# Altium PCB pcb-sam-carrier.PcbDoc (part 3 of 3)
Units mm, origin at the board's own origin, x right, y up, seen from the top; angles counter-clockwise.
Board outline 140 x 87 mm, 4 copper layers (Top Layer, VCC, GND, Bottom Layer), stack 1.606 mm thick; 245 components, 282 nets, 1348 pads, 172 vias.
Unrouted connection lines stored in the file: 727.
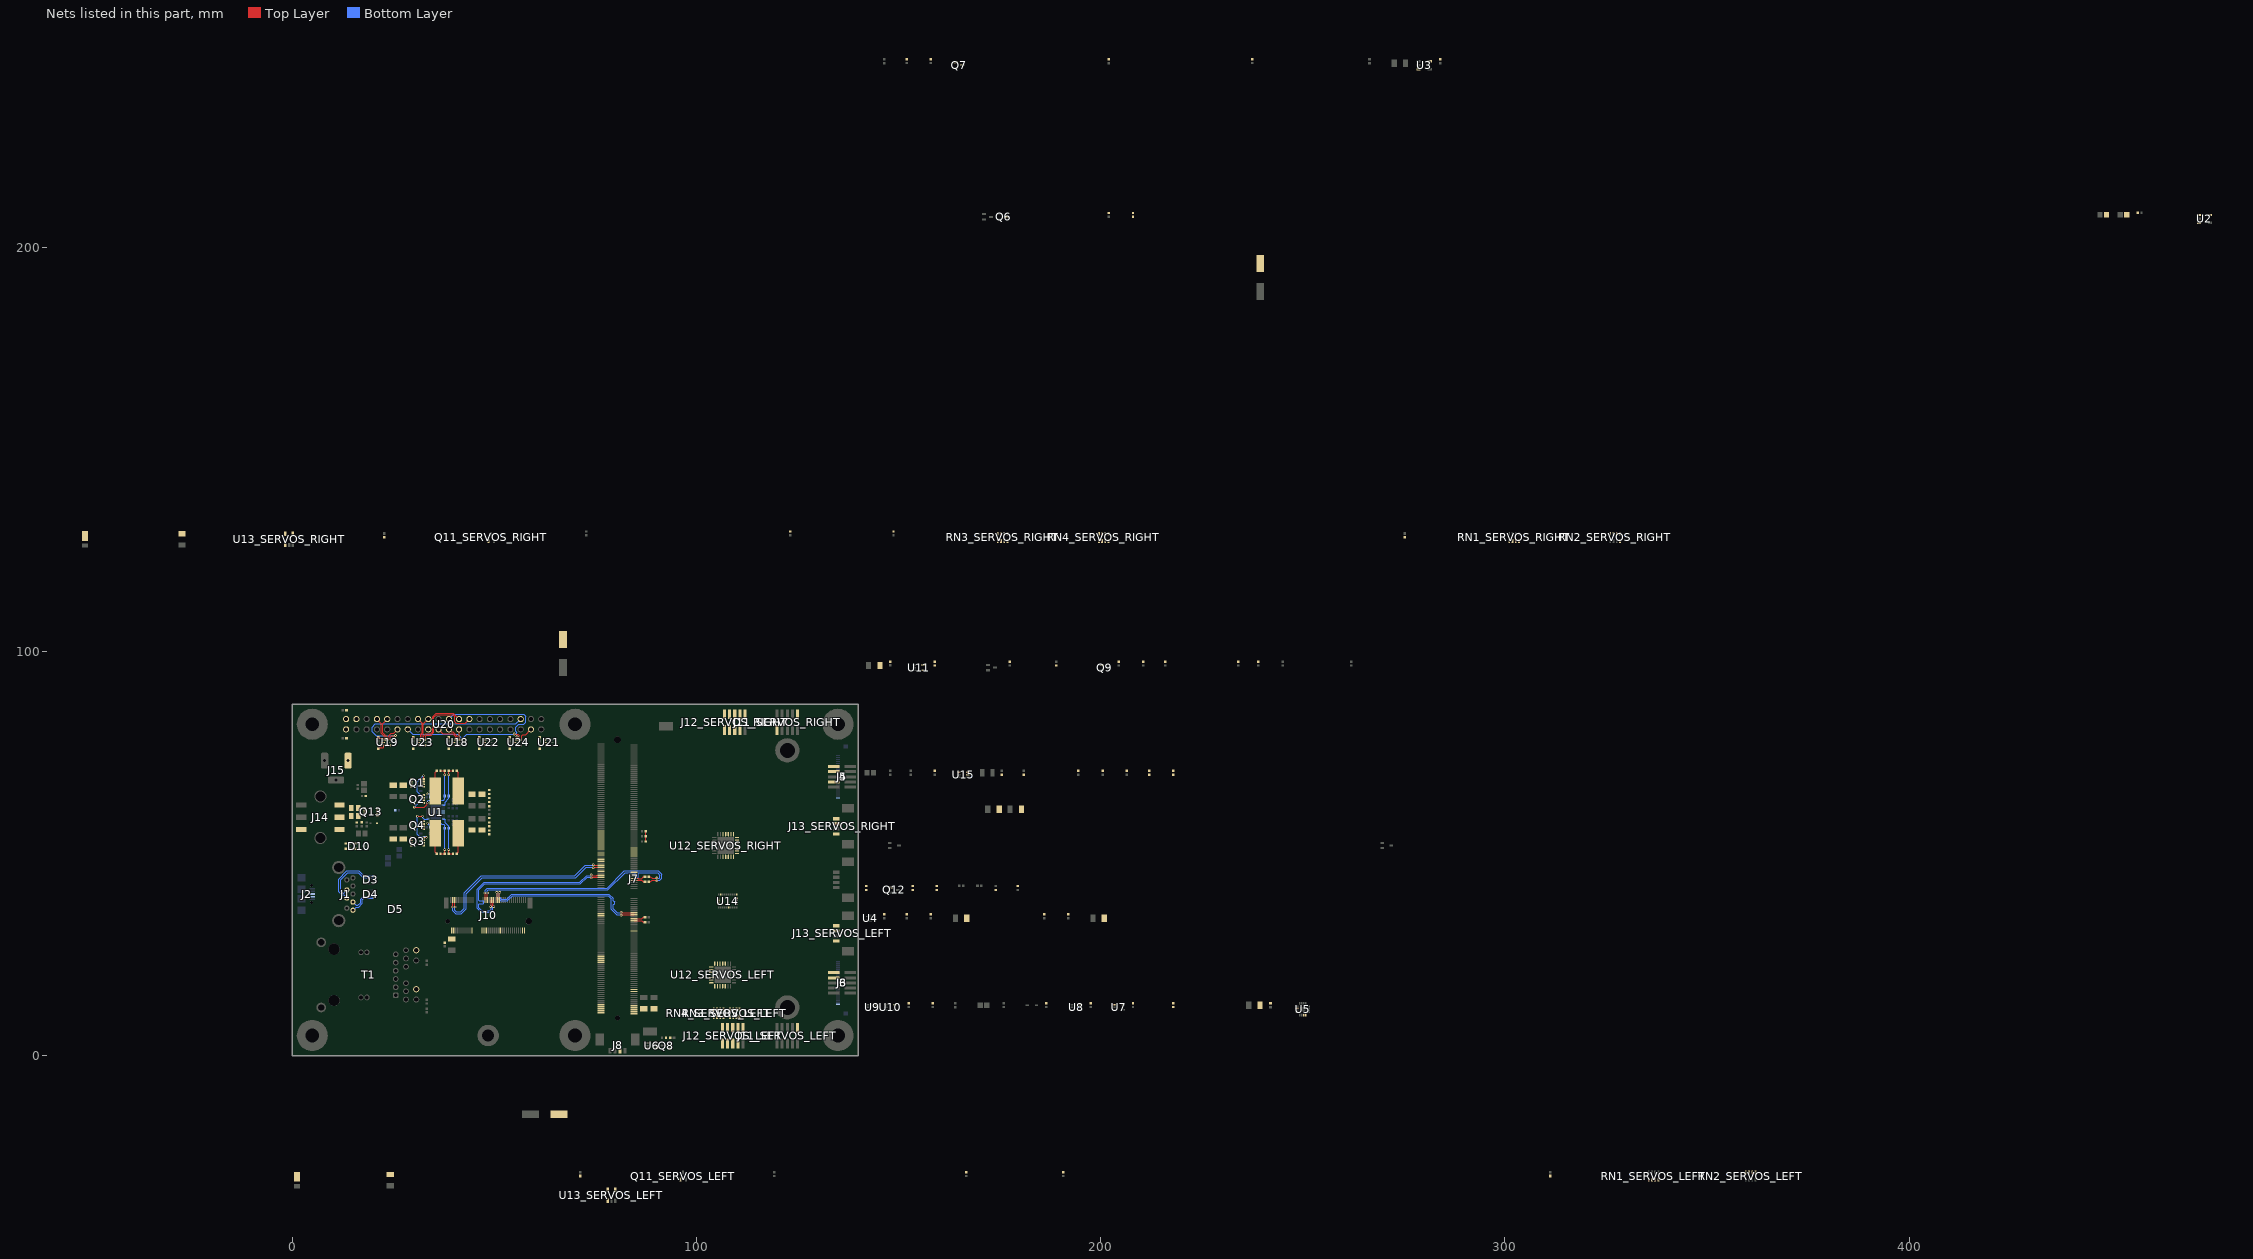
[diagram p3: the nets of this part, all layers, seen from the top]

## Via types
v1: diameter 0.6, hole 0.2, Top Layer to Bottom Layer, tented both sides, 80 vias
v2: diameter 1.27, hole 0.7, Top Layer to Bottom Layer, 48 vias
v3: diameter 0.5, hole 0.2, Top Layer to Bottom Layer, 38 vias
v4: diameter 0.7, hole 0.3, Top Layer to Bottom Layer, tented both sides, 4 vias
v5: diameter 0.6, hole 0.2, Top Layer to Bottom Layer, 2 vias

## Nets (pads, with @x,y where several pads share a name; then routed paths per layer and width w, separated by ;. In a path a pad name is that pad's centre, name@x,y a point inside that pad or via, vN(x,y) a via of type N, cw(c..) or ccw(c..) an arc to the next point about the centre after c; other vN are vias at no path point) (continued)
NetJ11_SERVOS_RIGHT_10: J11_SERVOS_RIGHT.10 RN2_SERVOS_RIGHT.4
NetJ12_SERVOS_LEFT_3: J12_SERVOS_LEFT.3 RN3_SERVOS_LEFT.8
NetJ12_SERVOS_LEFT_4: J12_SERVOS_LEFT.4 RN4_SERVOS_LEFT.1
NetJ12_SERVOS_LEFT_5: J12_SERVOS_LEFT.5 RN3_SERVOS_LEFT.7
NetJ12_SERVOS_LEFT_6: J12_SERVOS_LEFT.6 RN4_SERVOS_LEFT.2
NetJ12_SERVOS_LEFT_7: J12_SERVOS_LEFT.7 RN3_SERVOS_LEFT.6
NetJ12_SERVOS_LEFT_8: J12_SERVOS_LEFT.8 RN4_SERVOS_LEFT.3
NetJ12_SERVOS_LEFT_9: J12_SERVOS_LEFT.9 RN3_SERVOS_LEFT.5
NetJ12_SERVOS_LEFT_10: J12_SERVOS_LEFT.10 RN4_SERVOS_LEFT.4
NetJ12_SERVOS_RIGHT_3: J12_SERVOS_RIGHT.3 RN3_SERVOS_RIGHT.8
NetJ12_SERVOS_RIGHT_4: J12_SERVOS_RIGHT.4 RN4_SERVOS_RIGHT.1
NetJ12_SERVOS_RIGHT_5: J12_SERVOS_RIGHT.5 RN3_SERVOS_RIGHT.7
NetJ12_SERVOS_RIGHT_6: J12_SERVOS_RIGHT.6 RN4_SERVOS_RIGHT.2
NetJ12_SERVOS_RIGHT_7: J12_SERVOS_RIGHT.7 RN3_SERVOS_RIGHT.6
NetJ12_SERVOS_RIGHT_8: J12_SERVOS_RIGHT.8 RN4_SERVOS_RIGHT.3
NetJ12_SERVOS_RIGHT_9: J12_SERVOS_RIGHT.9 RN3_SERVOS_RIGHT.5
NetJ12_SERVOS_RIGHT_10: J12_SERVOS_RIGHT.10 RN4_SERVOS_RIGHT.4
NetQ6_3: Q6.3 R17.1
NetQ7_1: Q7.1 R26.2 R27.2
NetR3_1: R3.1 U1.25 | length 2.4
  Bottom Layer w0.213: U1.25@35.25,62.675 R3.1@35.25,65.025
NetR4_1: R4.1 U1.26 | length 2.6
  Bottom Layer w0.213: U1.26@35.75,62.675 35.75,64.525 36.056,64.831 36.056,64.856 36.225,65.025 R4.1@36.25,65.025
NetR12_2: R12.2 R13.1
NetR21_2: R21.2 R22.1
NetR23_2: R23.2 U3.3
NetR32_1: R32.1 U5.4
NetR55_2: J7.127 R55.2
NetR56_2: J7.178 Q11_SERVOS_LEFT.1 Q11_SERVOS_RIGHT.1 R56.2 U13_SERVOS_LEFT.4 U13_SERVOS_RIGHT.4
NetR58_1: R58.1 U14.4
NetR59_1: R59.1 U14.11
NetR60_1: R60.1 U14.19
NetR61_1: R61.1 U14.20
NetR62_2: R62.2 U14.5
PCIE_CLK_N: J7.160 J10.49 | length 41.5
  Top Layer w0.213: J10.49@51.25,38.525 51.25,39.406 51.193,39.464 51.193,40.216 v1(51.376,40.4) ; v1(81.4,35.501) 81.584,35.318 83.561,35.318 83.619,35.375 J7.160@84.6,35.375
  Bottom Layer w0.213: v1(51.376,40.4) 51.193,40.216 51.193,39.3 51.793,38.7 53.1,38.7 54.385,39.985 78.36,39.985 78.473,39.873 79.385,38.96 79.385,38.6 79.385,38.309 79.51,38.185 79.711,38.185 79.819,38.077 79.819,37.572 79.711,37.464 79.51,37.464 79.385,37.34 79.385,36.513 79.385,36.415 80.482,35.318 81.216,35.318 v1(81.4,35.501)
PCIE_CLK_P: J7.162 J10.47 | length 41.6
  Top Layer w0.213: v1(50.624,40.4) 50.807,40.216 50.807,39.464 50.75,39.406 J10.47@50.75,38.525 ; v1(81.4,34.749) 81.584,34.932 83.561,34.932 83.619,34.875 J7.162@84.6,34.875
  Bottom Layer w0.213: v1(50.624,40.4) 50.807,40.216 50.807,39.14 51.633,38.315 53.26,38.315 54.545,39.6 78.2,39.6 79,38.8 79,36.255 80.323,34.932 81.216,34.932 v1(81.4,34.749)
PCIE_RX_N: J7.131 J10.43 | length 44
  Top Layer w0.213: J10.43@49.75,38.525 49.75,37.644 49.693,37.586 49.693,37.084 v1(49.876,36.9) ; v1(74,44.751) 74.184,44.568 75.361,44.568 75.419,44.625 J7.131@76.4,44.625
  Bottom Layer w0.213: v1(49.876,36.9) 49.693,36.716 49.693,36.04 49.167,35.515 46.785,35.515 45.8,36.5 45.8,41.2 47.485,42.885 71.14,42.885 72.823,44.568 73.816,44.568 v1(74,44.751)
PCIE_RX_P: J7.133 J10.41 | length 44.2
  Top Layer w0.213: v1(49.124,36.9) 49.307,37.084 49.307,37.586 49.25,37.644 J10.41@49.25,38.525 ; v1(74,43.999) 74.184,44.182 75.361,44.182 75.419,44.125 J7.133@76.4,44.125
  Bottom Layer w0.213: v1(49.124,36.9) 49.307,36.716 49.307,36.2 49.007,35.9 46.945,35.9 46.185,36.66 46.185,37.487 46.329,37.631 47.236,37.631 47.38,37.775 47.38,38.207 47.236,38.351 46.329,38.351 46.185,38.495 46.185,40.797 46.185,41.04 47.645,42.5 71.3,42.5 71.413,42.613 72.982,44.182 73.816,44.182 v1(74,43.999)
PCIE_TX0C_N: C51.2 J10.37 | length 53.3
  Top Layer w0.213: J10.37@48.25,38.525 48.25,39.406 48.228,39.428 48.228,40.102 v1(48.376,40.25) ; C51.2@88.21,44.25 88.636,44.25 89.033,43.853 90.102,43.853 v1(90.25,44.001)
  Bottom Layer w0.213: v1(48.376,40.25) 48.228,40.398 48.228,40.75 48.478,41 78.1,41 82.4,45.3 83.872,45.3 84.699,45.3 84.843,45.156 84.843,44.162 84.987,44.018 85.42,44.018 85.564,44.162 85.564,45.156 85.708,45.3 90.2,45.3 90.4,45.3 91,44.7 91,44.06 90.794,43.853 90.398,43.853 v1(90.25,44.001)
PCIE_TX0C_P: C52.2 J10.35 | length 53.3
  Top Layer w0.213: v1(47.624,40.25) 47.772,40.102 47.772,39.428 47.75,39.406 J10.35@47.75,38.525 ; C52.2@88.21,43 88.636,43 89.033,43.397 90.102,43.397 v1(90.25,43.249)
  Bottom Layer w0.213: v1(47.624,40.25) 47.772,40.398 47.772,40.939 48.289,41.457 71.7,41.457 77.911,41.457 82.077,45.623 82.211,45.757 90.589,45.757 91.457,44.889 91.457,43.871 90.983,43.397 90.398,43.397 v1(90.25,43.249)
PCIE_TX_N: C51.1 J7.134 | length 2.9
  Top Layer w0.213: J7.134@84.6,43.875 85.581,43.875 85.639,43.818 86.431,43.818 86.864,44.25 C51.1@87.29,44.25
PCIE_TX_P: C52.1 J7.136 | length 2.9
  Top Layer w0.213: J7.136@84.6,43.375 85.581,43.375 85.639,43.432 86.431,43.432 86.864,43 C52.1@87.29,43
PGOOD: R2.1 U1.13 U2.3
POWER_LED: Q12.1 R54.1 R55.1 R56.1
PWR_RX: J14.4 R64.1
PWR_TX: J14.1 R63.1
S0_SERVOS_LEFT: RN1_SERVOS_LEFT.1 U12_SERVOS_LEFT.3
S0_SERVOS_RIGHT: RN1_SERVOS_RIGHT.1 U12_SERVOS_RIGHT.3
S1_SERVOS_LEFT: RN2_SERVOS_LEFT.8 U12_SERVOS_LEFT.4
S1_SERVOS_RIGHT: RN2_SERVOS_RIGHT.8 U12_SERVOS_RIGHT.4
S2_SERVOS_LEFT: RN1_SERVOS_LEFT.2 U12_SERVOS_LEFT.5
S2_SERVOS_RIGHT: RN1_SERVOS_RIGHT.2 U12_SERVOS_RIGHT.5
S3_SERVOS_LEFT: RN2_SERVOS_LEFT.7 U12_SERVOS_LEFT.6
S3_SERVOS_RIGHT: RN2_SERVOS_RIGHT.7 U12_SERVOS_RIGHT.6
S4_SERVOS_LEFT: RN1_SERVOS_LEFT.3 U12_SERVOS_LEFT.7
S4_SERVOS_RIGHT: RN1_SERVOS_RIGHT.3 U12_SERVOS_RIGHT.7
S5_SERVOS_LEFT: RN2_SERVOS_LEFT.6 U12_SERVOS_LEFT.8
S5_SERVOS_RIGHT: RN2_SERVOS_RIGHT.6 U12_SERVOS_RIGHT.8
S6_SERVOS_LEFT: RN1_SERVOS_LEFT.4 U12_SERVOS_LEFT.9
S6_SERVOS_RIGHT: RN1_SERVOS_RIGHT.4 U12_SERVOS_RIGHT.9
S7_SERVOS_LEFT: RN2_SERVOS_LEFT.5 U12_SERVOS_LEFT.10
S7_SERVOS_RIGHT: RN2_SERVOS_RIGHT.5 U12_SERVOS_RIGHT.10
S8_SERVOS_LEFT: RN3_SERVOS_LEFT.1 U12_SERVOS_LEFT.12
S8_SERVOS_RIGHT: RN3_SERVOS_RIGHT.1 U12_SERVOS_RIGHT.12
S9_SERVOS_LEFT: RN4_SERVOS_LEFT.8 U12_SERVOS_LEFT.13
S9_SERVOS_RIGHT: RN4_SERVOS_RIGHT.8 U12_SERVOS_RIGHT.13
S10_SERVOS_LEFT: RN3_SERVOS_LEFT.2 U12_SERVOS_LEFT.14
S10_SERVOS_RIGHT: RN3_SERVOS_RIGHT.2 U12_SERVOS_RIGHT.14
S11_SERVOS_LEFT: RN4_SERVOS_LEFT.7 U12_SERVOS_LEFT.15
S11_SERVOS_RIGHT: RN4_SERVOS_RIGHT.7 U12_SERVOS_RIGHT.15
S12_SERVOS_LEFT: RN3_SERVOS_LEFT.3 U12_SERVOS_LEFT.16
S12_SERVOS_RIGHT: RN3_SERVOS_RIGHT.3 U12_SERVOS_RIGHT.16
S13_SERVOS_LEFT: RN4_SERVOS_LEFT.6 U12_SERVOS_LEFT.17
S13_SERVOS_RIGHT: RN4_SERVOS_RIGHT.6 U12_SERVOS_RIGHT.17
S14_SERVOS_LEFT: J13_SERVOS_LEFT.3 RN3_SERVOS_LEFT.4 U12_SERVOS_LEFT.18
S14_SERVOS_RIGHT: J13_SERVOS_RIGHT.3 RN3_SERVOS_RIGHT.4 U12_SERVOS_RIGHT.18
S15_SERVOS_LEFT: J13_SERVOS_LEFT.4 RN4_SERVOS_LEFT.5 U12_SERVOS_LEFT.19
S15_SERVOS_RIGHT: J13_SERVOS_RIGHT.4 RN4_SERVOS_RIGHT.5 U12_SERVOS_RIGHT.19
SENSE1_N: C10.2 R7.1 R10.1 U1.1 | length 10.3
  Top Layer w0.213: v1(38.75,69.5) 38.75,70.475 R10.1@38.725,70.5 R7.1@39.775,70.5
  Bottom Layer w0.213: U1.1@37.425,62 37.715,62 37.826,62.111 37.826,62.758 38.71,63.642 C10.2@38.71,64.25 38.71,69.46 v1(38.75,69.5)
SENSE1_P: C10.1 R6.1 R10.2 U1.28 | length 9.6
  Top Layer w0.213: R6.1@36.725,70.5 R10.2@37.775,70.5 37.75,70.475 v1(37.75,69.5)
  Bottom Layer w0.213: U1.28@36.75,62.675 36.75,62.985 36.769,63.004 36.769,63.019 37,63.25 37.5,63.25 37.79,63.54 C10.1@37.79,64.25 37.79,69.46 v1(37.75,69.5)
SENSE2_N: C22.2 R15.1 R19.1 U1.8 | length 10.3
  Top Layer w0.213: v1(38.75,51) 38.75,50.025 R19.1@38.725,50 R15.1@39.775,50
  Bottom Layer w0.213: U1.8@37.425,58.5 37.715,58.5 37.826,58.389 37.826,57.658 38.71,56.774 C22.2@38.71,56.25 38.71,51.04 v1(38.75,51)
SENSE2_P: C22.1 R14.1 R19.2 U1.9 | length 9.6
  Top Layer w0.213: R14.1@36.725,50 R19.2@37.775,50 37.75,50.025 v1(37.75,51)
  Bottom Layer w0.213: U1.9@36.75,57.825 36.75,57.515 36.769,57.496 36.769,57.481 37,57.25 37.5,57.25 37.79,56.96 C22.1@37.79,56.25 37.79,51.04 v1(37.75,51)
SERVO_PWR_SERVOS_LEFT: C57_SERVOS_LEFT.2 D7_SERVOS_LEFT.C J13_SERVOS_LEFT.1 U13_SERVOS_LEFT.1
SERVO_PWR_SERVOS_RIGHT: C57_SERVOS_RIGHT.2 D7_SERVOS_RIGHT.C J13_SERVOS_RIGHT.1 U13_SERVOS_RIGHT.1
SPI0.MISO: J7.93 U18.3
SPI0.MOSI: J7.89 U18.2
SPI0.SCK: J7.91 U18.4
SPI0_CS0: J7.95 U23.4
SPI0_CS0_LS: U20.24 U23.8 | length 14.8
  Top Layer w0.152: U23.8@32.6,78.15 32.6,79.2 33,79.6 34.27,79.6 34.796,80.126 34.796,83.896 35.6,84.7 39.88,84.7 U20.24@41.31,83.27
SPI0_CS1: J7.97 U23.5
SPI0_CS1_LS: U20.26 U23.7 | length 18.4
  Top Layer w0.152: U23.7@33,78.15 33,79.17 33.126,79.296 34.396,79.296 35.1,80 35.1,83.77 35.726,84.396 39.754,84.396 40.2,83.95 40.2,82.6 40.6,82.2 42.78,82.2 U20.26@43.85,83.27
SPI0_MISO_LS: U18.9 U20.21 | length 3.7
  Top Layer w0.152: U20.21@38.77,80.73 38.784,80.73 39.414,80.1 39.8,80.1 40.9,79 U18.9@40.9,78.15
SPI0_MOSI_LS: U18.10 U20.19 | length 5.8
  Top Layer w0.152: U20.19@36.23,80.73 37.26,79.7 39.7,79.7 40.5,78.9 U18.10@40.5,78.15
SPI0_SCK_LS: U18.8 U20.23 | length 2.6
  Top Layer w0.152: U18.8@41.3,78.15 41.3,80.72 U20.23@41.31,80.73
SPI1.MISO: J7.108 U24.2
SPI1.MOSI: J7.104 U24.5
SPI1.SCK: J7.106 U24.3
SPI1_CS0: J7.110 U23.3
SPI1_CS0_LS: U20.18 U23.9 | length 5.7
  Top Layer w0.152: U23.9@32.2,78.15 32.2,79.4 32.504,79.704 32.504,82.084 U20.18@33.69,83.27
SPI1_CS1: J7.112 U23.2
SPI1_CS1_LS: U20.16 U23.10 | length 5.7
  Top Layer w0.152: U20.16@31.15,83.27 32.2,82.22 32.2,79.9 31.8,79.5 U23.10@31.8,78.15
SPI1_MISO_LS: U20.22 U24.10 | length 27.5
  Top Layer w0.152: U24.10@55.6,78.15 v4(55.6,79)
  Bottom Layer w0.152: U20.22@38.77,83.27 40,84.5 57.3,84.5 57.8,84 57.8,82.5 57.3,82 56.1,82 55.3,81.2 55.3,80.3 55.6,80 v4(55.6,79)
SPI1_MOSI_LS: U20.37 U24.7 | length 3.9
  Top Layer w0.152: U24.7@56.8,78.15 56.8,79.1 57.1,79.4 57.76,79.4 U20.37@59.09,80.73
SPI1_SCK_LS: U20.13 U24.9 | length 30.1
  Top Layer w0.152: v4(54.968,79.572) 54.974,79.578 55.84,79.578 56.178,79.24 56.178,78.76 56.024,78.606 56.024,78.174 U24.9@56,78.15
  Bottom Layer w0.152: U20.13@28.61,80.73 29.817,79.523 40.959,79.523 41.86,78.622 42.34,78.622 43.241,79.523 54.919,79.523 v4(54.968,79.572)
SS_RX_N: D4.1 D4.10 J1.5 J7.161 | length 6.6
  Bottom Layer w0.213: J1.5@15.04,36 15.812,36.772 16.461,36.772 17.4,37.711 17.4,38.554 17.868,39.022 18.672,39.022 18.694,39 D4.1@19.082,39 D4.10@19.917,39
SS_RX_P: D4.2 D4.9 J1.6 J7.163 | length 6.6
  Bottom Layer w0.213: J1.6@15.04,38 15.812,37.228 16.272,37.228 16.943,37.9 16.943,38.743 17.678,39.478 18.672,39.478 18.694,39.5 D4.2@19.082,39.5 D4.9@19.917,39.5
SS_TX_N: C29.2 J7.166 | length 2.9
  Top Layer w0.213: J7.166@84.6,33.875 85.581,33.875 85.603,33.853 86.467,33.853 86.864,34.25 C29.2@87.29,34.25
SS_TX_P: C30.2 J7.168 | length 2.9
  Top Layer w0.213: J7.168@84.6,33.375 85.581,33.375 85.603,33.397 86.467,33.397 86.864,33 C30.2@87.29,33
SUSCLK_BUF: J10.50 R48.1 U11.4
SW1: C5.1 L1.1 Q1.1 Q1.2 Q1.3 Q2.5 Q2.6 Q2.7 Q2.8 R6.2 U1.24 | length 8.1
  Top Layer w0.213: L1.1@35.425,65.5 35.425,70.15 35.581,70.306 35.606,70.306 35.775,70.475 R6.2@35.775,70.5
  Bottom Layer w0.213: v1(33.5,64.772) 33.522,64.75 34,64.75 34.21,64.54 C5.1@34.21,64 34.75,63.46 U1.24@34.75,62.675
SW2: C18.1 L2.1 Q3.1 Q3.2 Q3.3 Q4.5 Q4.6 Q4.7 Q4.8 R14.2 U1.14 | length 7.4
  Top Layer w0.213: L2.1@35.425,55 35.425,50.35 35.581,50.194 35.606,50.194 35.775,50.025 R14.2@35.775,50
  Bottom Layer w0.213: v1(33.5,57.5) 33.818,57.182 34.25,57.182 ; C18.1@34.21,56.5 34.25,56.54 34.25,57.182 ; U1.14@34.25,57.825 34.25,57.182
TG1: Q1.4 U1.23 | length 15.9
  Top Layer w0.213: v1(30.25,61.5) 32.75,61.5 33.439,62.189 33.439,62.516 v1(33.5,62.577) ; v1(32.5,69.25) 32.55,69.2 Q1.4@32.55,68.475
  Bottom Layer w0.213: v1(30.25,61.5) 32,63.25 32,64.25 31,65.25 31,67.75 v1(32.5,69.25) ; v1(33.5,62.577) 33.514,62.591 33.514,63.014 33.75,63.25 34,63.25 34.231,63.019 34.231,63.004 34.25,62.985 U1.23@34.25,62.675
TG2: Q3.4 U1.15 | length 10.7
  Top Layer w0.213: v1(31,59.25) v1(32.25,59.25) ; Q3.4@32.55,53.975 32.563,53.988 33.238,53.988 v1(33.25,54)
  Bottom Layer w0.213: v1(31,59.25) 31,54.75 31.5,54.25 v1@33.25,54.25 ; v1(32.25,59.25) 32.324,59.176 32.324,58.926 32.75,58.5 U1.15@33.575,58.5
UART0_CTS: J7.105 J10.34
UART0_RTS: J7.103 J10.36
UART0_RXD: J7.101 J10.22
UART0_TXD: J7.99 J10.32
UART1.CTS: J7.209 U19.5
UART1.RTS: J7.207 U19.4
UART1.RXD: J7.205 U19.3
UART1.TXD: J7.203 U19.2
UART1_3V3.RXD: D10.1 R64.2 U19.9 U20.10 | length 6
  Top Layer w0.152: U19.9@23.5,78.15 23.5,78.8 22.404,79.896 22.404,82.144 U20.10@23.53,83.27
UART1_3V3.TXD: D10.2 R63.2 U19.10 U20.8 | length 6
  Top Layer w0.152: U20.8@20.99,83.27 22.1,82.16 22.1,79.77 23.1,78.77 U19.10@23.1,78.15
UART1_CTS_LS: U19.7 U20.36 | length 47
  Top Layer w0.152: U19.7@24.3,78.15 24.3,78.8 24.7,79.2 v4(25.6,79.2)
  Bottom Layer w0.152: v4(25.6,79.2) 20.8,79.2 19.8,80.2 19.8,81.3 20.6,82.1 55.38,82.1 U20.36@56.55,83.27
UART1_RTS_LS: U19.8 U20.11 | length 3.9
  Top Layer w0.152: U19.8@23.9,78.15 23.9,79.2 24.5,79.8 25.14,79.8 U20.11@26.07,80.73
UART2_RXD: J7.238
UART2_TXD: J7.236
USB0_N: D5.4 D5.7 J2.2 J7.109
USB0_P: D5.5 D5.6 J2.3 J7.111
USB1.D_N: D3.4 D3.7 J1.2 J7.115 | length 13.2
  Bottom Layer w0.213: J1.2@13.54,41 12.768,40.228 12.5,40.228 12,40.728 12,43.5 13.75,45.25 16.354,45.25 17.582,44.022 18.672,44.022 18.694,44 D3.4@19.082,44
USB1.D_P: D3.5 D3.6 J1.3 J7.117 | length 14.7
  Bottom Layer w0.213: J1.3@13.54,39 12.768,39.772 12.311,39.772 11.543,40.539 11.543,43.689 13.561,45.707 16.543,45.707 17.772,44.478 18.672,44.478 18.694,44.5 D3.5@19.082,44.5
USB2_N: J7.121 J10.5 | length 46.2
  Top Layer w0.213: J10.5@40.25,38.525 40.25,37.644 40.228,37.622 40.228,36.948 v5(40.376,36.8) ; v1(74.5,47.251) 74.648,47.103 75.397,47.103 75.419,47.125 J7.121@76.4,47.125
  Bottom Layer w0.213: v5(40.376,36.8) 40.228,36.652 40.228,36 40.628,35.6 41.7,35.6 42.643,36.543 42.643,37.1 42.643,37.453 42.602,37.453 42.602,38.173 42.643,38.173 42.643,39 42.643,40.343 46.8,44.5 50.7,44.5 50.723,44.523 69.977,44.523 72.557,47.103 74.352,47.103 v1(74.5,47.251)
USB2_P: J7.123 J10.3 | length 46.9
  Top Layer w0.213: v5(39.624,36.8) 39.772,36.948 39.772,37.622 39.75,37.644 J10.3@39.75,38.525 ; v1(74.5,46.499) 74.648,46.647 75.397,46.647 75.419,46.625 J7.123@76.4,46.625
  Bottom Layer w0.213: v5(39.624,36.8) 39.772,36.652 39.772,35.811 40.439,35.143 41.889,35.143 42.023,35.277 43.1,36.354 43.1,40.12 47.023,44.043 51,44.043 51.023,44.066 70.166,44.066 72.747,46.647 74.352,46.647 v1(74.5,46.499)
USB_VBUS_DET: J7.87 Q7.3
VFB1: R11.1 R12.1 U1.4
VFB2: R20.1 R21.1 U1.5
VFILT_11V1: C65.2 FB1.2 FB2.2 Q13.1 Q13.2 Q13.3 R65.2
VIN_11V1: FB1.1 FB2.1 J14.5 J14.6 J15.1
VIN_OR: C14.2 C15.2 C16.2 C17.2 C63.2 C64.2 D11.C Q1.5 Q1.6 Q1.7 Q1.8 Q3.5 Q3.6 Q3.7 Q3.8 Q13.5 Q13.6 Q13.7 Q13.8 R1.1 R5.1
VSYS_1V8: C3.2 C67.2 C70.2 C72.2 C73.2 C76.2 C77.2 Q8.1 R28.2 R29.2 R30.2 R32.2 R33.2 R41.2 R54.2 U2.5 U6.6 U11.5 U15.6 U18.1 U18.12 U19.1 U19.12 U21.1 U21.12 U22.1 U22.12 U23.1 U23.12 U24.1 U24.12 | length 6.4
  Top Layer w0.152: C70.2@21.3,75.94 21.544,76.184 21.617,76.184 21.633,76.2 22.1,76.2 ; U19.1@22.7,76.85 22.7,76.3 22.6,76.2 22.1,76.2 ; U19.12@22.7,77.5 22.2,77.5 22.1,77.4 22.1,76.2 ; R29.2@87.475,53 R30.2@87.475,54.25 R28.2@87.475,55.5
VSYS_3V3: C2.2 C19.1 C20.2 C21.2 C31.2 C36.2 C39.2 C40.2 C49.2 C50.2 C53.2 C54.2 C55_SERVOS_LEFT.1 C55_SERVOS_RIGHT.1 C58.2 C59.2 C68.2 C69.2 C71.2 C74.2 C75.2 C78.2 C79.1 J3.22 J5.22 J10.2 J10.4 J10.72 J10.74 L2.2 R15.2 R17.2 R22.2 R42.2 R43.2 R44.2 R45.2 R46.1 R47.2 R48.2 R49_SERVOS_LEFT.2 R49_SERVOS_RIGHT.2 R50_SERVOS_LEFT.2 R50_SERVOS_RIGHT.2 R53.2 R57.2 R58.2 R59.2 T1.18 T1.20 U2.1 U4.9 U12_SERVOS_LEFT.25 U12_SERVOS_RIGHT.25 U14.3 U14.28 U15.1 U15.5 U18.11 U19.11 U20.1 U20.17 U21.11 U22.11 U23.11 U24.11 | length 7
  Top Layer w0.152: C69.2@21.3,78.76 21.544,78.516 21.617,78.516 21.633,78.5 22.587,78.5 22.676,78.411 22.676,78.174 U19.11@22.7,78.15
  Top Layer w0.213: R15.2@40.725,50 40.725,50.025 40.894,50.194 40.919,50.194 41.075,50.35 L2.2@41.075,55
VSYS_5V0: C6.1 C7.2 C8.2 C26.2 C34.2 C35.2 C37.2 C38.2 C41.1 C42.2 C43.2 C44.1 C45.2 C46.2 C56_SERVOS_LEFT.1 C56_SERVOS_RIGHT.1 C80.2 J4.01 J4.03 J4.07 J6.01 J6.03 J7.251 J7.252 J7.253 J7.254 J7.255 J7.256 J7.257 J7.258 J7.259 J7.260 J8.2 J11_SERVOS_LEFT.1 J11_SERVOS_RIGHT.1 J12_SERVOS_LEFT.1 J12_SERVOS_RIGHT.1 L1.2 R7.2 R13.2 R16.2 R31.2 R34.2 R35.2 R37.2 R38.2 R52.1 U1.12 U3.5 U5.2 U5.7 U5.8 U6.1 U7.1 U7.5 U8.5 U9.5 U10.5 U13_SERVOS_LEFT.5 U13_SERVOS_RIGHT.5 U20.2 U20.4 | length 5.2
  Top Layer w0.213: R7.2@40.725,70.5 40.725,70.475 40.894,70.306 40.919,70.306 41.075,70.15 L1.2@41.075,65.5
WIFI_M2_EN: J7.128 Q9.1
pads on no net: D3.1 D3.2 D3.9 D3.10 D5.1 D5.2 D5.9 D5.10 J2.4 J2.MH1 J2.MH2 J3.11 J3.12 J3.14 J3.15 J5.11 J5.12 J5.14 J5.15 J7. J7.3 J7.5 J7.9 J7.11 J7.15 J7.17 J7.21 J7.23 J7.27 J7.29 J7.33 J7.35 J7.39 J7.40 J7.41 J7.42 J7.45 J7.46 J7.47 J7.48 J7.51 J7.52 J7.53 J7.54 J7.57 J7.58 J7.59 J7.60 J7.63 J7.64 J7.65 J7.66 J7.69 J7.70 J7.71 J7.72 J7.75 J7.76 J7.77 J7.78 J7.81 J7.82 J7.83 J7.84 J7.90 J7.92 J7.98 J7.100 J7.137 J7.139 J7.140 J7.142 J7.143 J7.145 J7.148 J7.149 J7.150 J7.151 J7.154 J7.155 J7.156 J7.157 J7.167 J7.169 J7.172 J7.173 J7.174 J7.175 J7.182 J7.183 J7.214 J7.219 J7.221 J7.223 J7.225 J7.227 J7.229 J7.235 J7.240 J9.2 J10. J10.6 J10.9 J10.11 J10.13 J10.15 J10.16 J10.17 J10.19 J10.21 J10.23 J10.38 J10.40 J10.42 J10.44 J10.46 J10.48 J10.59 J10.61 J10.64 J10.65 J10.66 J10.67 J10.68 J10.70 J10.71 J10.73 T1.13 T1.14 T1.15 T1.16 T1.MH1 T1.MH2 U5.5 U5.6 U5.12 U5.13 U9.1 U11.1 U13_SERVOS_LEFT.3 U13_SERVOS_RIGHT.3 U14.1 U14.7 U14.8 U14.10 U14.12 U14.13 U14.15 U14.16 U14.21 U14.22 U14.23 U14.24

## Polygon pours and split planes (outlines as drawn)
GND on Top Layer "NONET_L01_P-001" (solid, pour order 11): 23.5,65.5 30,65.5 30,61.75 43,61.75 43,63 48.25,63 48.25,57.5 43,57.5 43,58.75 30,58.75 30,55 23.5,55
SW1 on Top Layer "NONET_L01_P-001" (solid, pour order 10): 30.25,65.5 32,65.5 32,69 37.2,69 37.2,62 30.25,62
VSYS_3V3 on Top Layer "NONET_L01_P-001" (solid, pour order 9): 39.5,58.5 42.75,58.5 42.75,57.25 48.25,57.25 48.25,51.5 39.5,51.5
VSYS_5V0 on Top Layer "NONET_L01_P-001" (solid, pour order 8): 39.5,62 42.75,62 42.75,63.25 48.25,63.25 48.25,69 39.5,69
VIN_OR on Top Layer "NONET_L01_P-001" (solid, pour order 7): 32,69 20.5,69 20.5,62.4 18.7,62.4 18.7,58.3 20.5,58.3 20.5,51.5 32,51.5 32,55 23.5,55 23.5,65.5 32,65.5
VIN_11V1 on Top Layer "NONET_L01_P-001" (solid, pour order 0): 9.5,63.5 12.937,63.5 12.937,70.063 12,71 12,75.75 15.25,75.75 15.25,57.5 9.5,57.5
SW2 on Top Layer "NONET_L01_P-001" (solid, pour order 4): 30.25,55 32,55 32,51.5 37.2,51.5 37.2,58.5 30.25,58.5

## Keep-outs
Keep-Out Layer:
  region: 86.9,33.4 86.9,32.6 88.6,32.6 88.6,33.4
  region: 86.9,34.65 86.9,33.85 88.6,33.85 88.6,34.65
  region: 86.9,44.65 86.9,43.85 88.6,43.85 88.6,44.65
  region: 86.9,43.4 86.9,42.6 88.6,42.6 88.6,43.4

## Silkscreen, mask and mechanical layers (free items; w line width, h text height)
Top Overlay:
  drawing of 324 lines, arcs and shapes, not listed
  text "BATTERY" at 0.702,48.45 h1.5
  text "FAN" at 69.001,29.75 h1.5

## Text inside footprints (layer, text, board x,y; h text height)
J2: Mechanical 2 "PCB Edge" at 0.225,38.8 h0.41 r270